# KiCad board ZSWatch-panelized.kicad_pcb (continued)
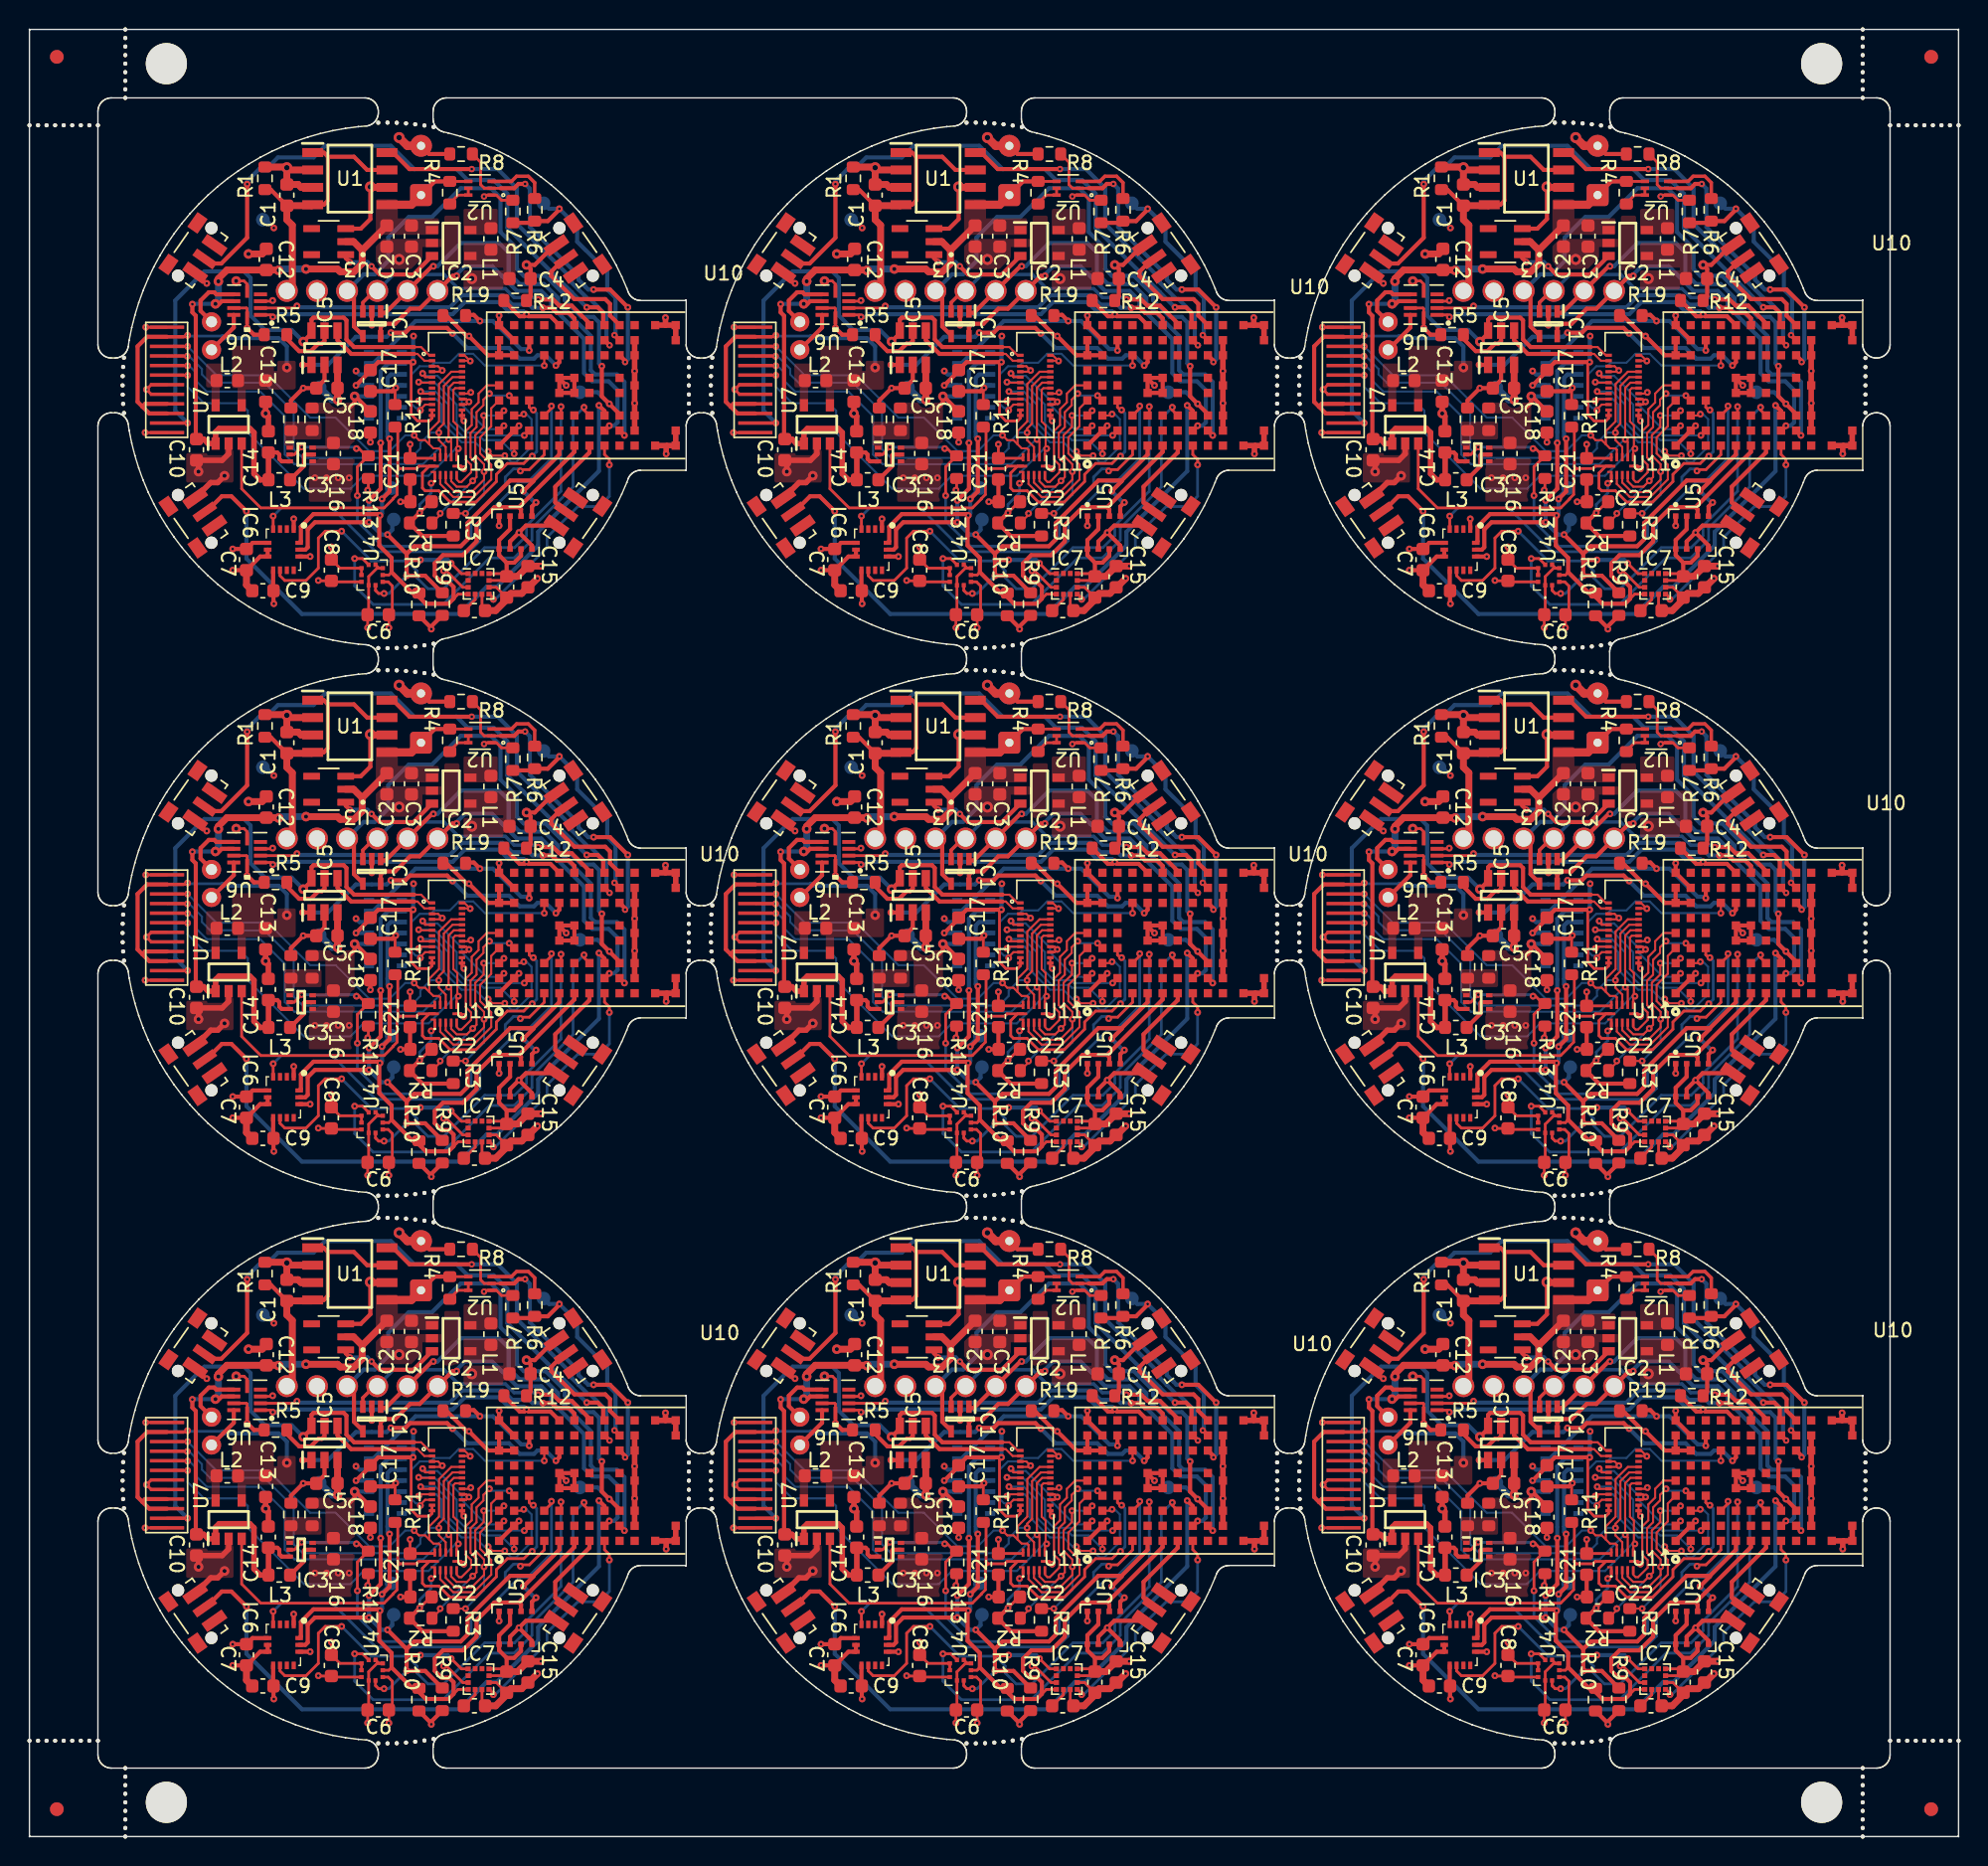
[diagram p0: board, top side]
## Nets (continued)
Board_7-BTN_2: S2#6.2 U10#3.J9
Board_7-BTN_3: S3#4.2 U10#3.H9
Board_7-BTN_4: S4#6.2 U10#3.G1
Board_7-CHG: U1.8 U10#3.H8
Board_7-DISPLAY_3V3: C5#9.2 C13#6.1 C21#5.2 IC5#5.3 L2#9.2 TP11#6.1 U7.4 U11#6.11 U12.3 U12.4 U12.11 U13#6.13 U13#6.14 U13#6.17 U13#6.23 U13#6.24
Board_7-DISPLAY_BLK: IC5#5.1 U10#3.E7
Board_7-DISPLAY_CLK: U10#3.B1 U13#6.8
Board_7-DISPLAY_CS: U10#3.B3 U13#6.9
Board_7-DISPLAY_DATA: U10#3.C2 U13#6.6
Board_7-DISPLAY_DC: U10#3.A2 U13#6.5
Board_7-DISPLAY_EN: R11.1 U7.3 U10#3.C4 U11#6.12
Board_7-DISPLAY_RST: U10#3.D7 U13#6.10
Board_7-DRV_VIB_EN: R12#4.1 U6#8.1 U10#3.E9
Board_7-DRV_VIB_PWM: U6#8.2 U10#3.F9
Board_7-GND: BT1#8.2 C1.2 C2.1 C3#7.2 C4#2.2 C5#9.1 C6#6.2 C7#5.2 C8#6.1 C9#7.1 C10#4.2 C11#2.2 C12#9.1 C13#6.2 C14#3.2 C15#5.2 C16#8.2 C17#3.1 C18#5.2 C19#3.1 C21#5.1 C22#7.1 IC1#7.2 IC2.2 IC3#6.4 IC4.4 IC4.12 IC5#5.2 IC6#9.1 IC6#9.6 IC6#9.7 IC7#9.6 IC7#9.8 J2#4.5 R1#5.2 R5#4.1 R7#3.2 R8#3.1 R11.2 R12#4.2 R13.2 R18#7.1 S1.1 S2#6.3 S3#4.3 S4#6.1 U1.2 U1.3 U1.6 U2.1 U3#2.3 U4#9.3 U4#9.8 U4#9.9 U5#4.1 U5#4.5 U5#4.7 U6#8.3 U6#8.5 U6#8.8 U6#8.10 U7.2 U10#3.A1 U10#3.A9 U10#3.B2 U10#3.B8 U10#3.E4 U10#3.E5 U10#3.F4 U10#3.F5 U10#3.K2 U10#3.K3 U10#3.K5 U10#3.K7 U10#3.K8 U10#3.L1 U10#3.L9 U10#3.M1 U10#3.M2 U10#3.M8 U10#3.M9 U11#6.6 U12.1 U12.5 U12.6 U12.12 U13#6.3 U13#6.4 U13#6.15 U13#6.16
Board_7-INT1_LIS: IC6#9.4 U10#3.D3
Board_7-INT2_LIS: IC6#9.9 U10#3.E3
Board_7-LEDK1: IC5#5.6 U12.2 U13#6.1
Board_7-LEDK2: IC5#5.4 U13#6.2
Board_7-LIS2MDL_INT: IC7#9.7 U10#3.H1
Board_7-MAX30_INT: IC4.13 R19#3.2 U10#3.C8
Board_7-RESET_N: IC1#7.4 J2#4.4 TP12#4.1 U10#3.J3
Board_7-SCL_ANNA: IC4.2 IC6#9.13 IC7#9.1 R9#3.1 TP9.1 U4#9.2 U5#4.4 U10#3.E1
Board_7-SDA_ANNA: IC4.3 IC6#9.14 IC7#9.4 R10#2.1 TP10#5.1 U4#9.4 U5#4.3 U10#3.F1
Board_7-SWDCLK: IC1#7.1 J2#4.2 U10#3.J2
Board_7-SWDIO: IC1#7.5 J2#4.1 U10#3.H2
Board_7-TOUCH_INT: U10#3.A4 U11#6.2
Board_7-TOUCH_RST: U10#3.A5 U11#6.5
Board_7-TOUCH_SCL: R3#5.1 U10#3.A3 U11#6.3
Board_7-TOUCH_SDA: R2#3.1 U10#3.B4 U11#6.4
Board_7-UART_TX: IC1#7.3 J2#4.3 U10#3.G9
Board_7-unconnected-(IC4-Pad1): IC4.1
Board_7-unconnected-(IC4-Pad5): IC4.5
Board_7-unconnected-(IC4-Pad6): IC4.6
Board_7-unconnected-(IC4-Pad7): IC4.7
Board_7-unconnected-(IC4-Pad8): IC4.8
Board_7-unconnected-(IC4-Pad14): IC4.14
Board_7-unconnected-(IC6-Pad2): IC6#9.2
Board_7-unconnected-(IC6-Pad3): IC6#9.3
Board_7-unconnected-(IC6-Pad10): IC6#9.10
Board_7-unconnected-(IC6-Pad11): IC6#9.11
Board_7-unconnected-(IC7-Pad2): IC7#9.2
Board_7-unconnected-(IC7-Pad11): IC7#9.11
Board_7-unconnected-(IC7-Pad12): IC7#9.12
Board_7-unconnected-(S1-Pad3): S1.3
Board_7-unconnected-(S1-PadS1): S1.S1
Board_7-unconnected-(S1-PadS2): S1.S2
Board_7-unconnected-(S2-Pad1): S2#6.1
Board_7-unconnected-(S2-PadS1): S2#6.S1
Board_7-unconnected-(S2-PadS2): S2#6.S2
Board_7-unconnected-(S3-Pad1): S3#4.1
Board_7-unconnected-(S3-PadS1): S3#4.S1
Board_7-unconnected-(S3-PadS2): S3#4.S2
Board_7-unconnected-(S4-Pad3): S4#6.3
Board_7-unconnected-(S4-PadS1): S4#6.S1
Board_7-unconnected-(S4-PadS2): S4#6.S2
Board_7-unconnected-(U3-Pad4): U3#2.4
Board_7-unconnected-(U3-Pad5): U3#2.5
Board_7-unconnected-(U6-Pad4): U6#8.4
Board_7-unconnected-(U10-PadA6): U10#3.A6
Board_7-unconnected-(U10-PadB5): U10#3.B5
Board_7-unconnected-(U10-PadB6): U10#3.B6
Board_7-unconnected-(U10-PadB9): U10#3.B9
Board_7-unconnected-(U10-PadC1): U10#3.C1
Board_7-unconnected-(U10-PadC5): U10#3.C5
Board_7-unconnected-(U10-PadC6): U10#3.C6
Board_7-unconnected-(U10-PadC9): U10#3.C9
Board_7-unconnected-(U10-PadD2): U10#3.D2
Board_7-unconnected-(U10-PadD8): U10#3.D8
Board_7-unconnected-(U10-PadD9): U10#3.D9
Board_7-unconnected-(U10-PadE2): U10#3.E2
Board_7-unconnected-(U10-PadE8): U10#3.E8
Board_7-unconnected-(U10-PadF2): U10#3.F2
Board_7-unconnected-(U10-PadF3): U10#3.F3
Board_7-unconnected-(U10-PadF7): U10#3.F7
Board_7-unconnected-(U10-PadF8): U10#3.F8
Board_7-unconnected-(U10-PadG2): U10#3.G2
Board_7-unconnected-(U10-PadG4): U10#3.G4
Board_7-unconnected-(U10-PadG5): U10#3.G5
Board_7-unconnected-(U10-PadG7): U10#3.G7
Board_7-unconnected-(U10-PadG8): U10#3.G8
Board_7-unconnected-(U10-PadH7): U10#3.H7
Board_7-unconnected-(U10-PadJ1): U10#3.J1
Board_7-unconnected-(U10-PadJ4): U10#3.J4
Board_7-unconnected-(U10-PadJ5): U10#3.J5
Board_7-unconnected-(U10-PadK1): U10#3.K1
Board_7-unconnected-(U10-PadK9): U10#3.K9
Board_7-unconnected-(U13-Pad7): U13#6.7
Board_7-unconnected-(U13-Pad22): U13#6.22
Board_7-V_BAT: BT1#8.1 C2.2 C3#7.1 C10#4.1 C12#9.2 C14#3.1 IC2.1 IC3#6.3 L3#8.1 R4#7.1 U1.5 U2.4 U3#2.2 U6#8.7 U7.1
Board_7-VBUS: C1.1 J2#4.6 R1#5.1 U1.1 U1.4 U1.7
Board_8-5V_REG_EN: IC3#8.2 R13#5.1 U10.D1
Board_8-+1V8: C4#7.1 C6.1 C7#2.1 C8#8.2 C9#4.2 C15#4.1 C17.2 C19#7.2 C22#3.2 IC2#5.4 IC4#5.11 IC6#6.5 IC6#6.8 IC6#6.12 IC7#2.3 IC7#2.9 IC7#2.10 L1#2.2 R2#4.2 R3#6.2 R9#4.2 R10#6.2 R19#9.1 TP8#4.1 U4#2.1 U4#2.5 U4#2.6 U4#2.10 U5#9.2 U5#9.6 U5#9.8 U10.A7 U10.A8 U10.B7 U11#4.1 U13#9.11 U13#9.12
Board_8-+5V: C16#4.1 C18.1 IC3#8.6 IC4#5.9 IC4#5.10 R17#7.2
Board_8-/C1: C11#7.1 IC7#2.5
Board_8-/D2: R6#3.1 U2#5.3
Board_8-/G2: R4#4.2 U2#5.5 U2#5.6
Board_8-/ISET: IC5#6.5 R5.2
Board_8-/LX_3V3: L2#6.1 U7#5.5
Board_8-/LX_18: IC2#5.5 L1#2.1
Board_8-/MOTOR_OUT+: M1#3.1 U6#2.9
Board_8-/MOTOR_OUT-: M1#3.2 U6#2.6
Board_8-/SW: IC3#8.5 L3#3.2
Board_8-/TOUCH_HIGH_INT-DC: U11#4.10 U12#5.10 U13#9.21
Board_8-/TOUCH_HIGH_RST-SDA: U11#4.7 U12#5.7 U13#9.18
Board_8-/TOUCH_HIGH_SCL-CS: U11#4.9 U12#5.9 U13#9.20
Board_8-/TOUCH_HIGH_SDA-SCL: U11#4.8 U12#5.8 U13#9.19
Board_8-/TPS_FB: IC3#8.1 R17#7.1 R18.2
Board_8-/~{RESET_BAT_SUP}: IC2#5.3 U3#7.1
Board_8-BAT_MON: R6#3.2 R7.1 TP3#7.1 U10.J8
Board_8-BAT_MON_EN: R8#4.2 U2#5.2 U10.J7
Board_8-BMP581_INT: U4#2.7 U10.G3
Board_8-BTN_1: S1#9.2 U10.H3
Board_8-BTN_2: S2#3.2 U10.J9
Board_8-BTN_3: S3#5.2 U10.H9
Board_8-BTN_4: S4.2 U10.G1
Board_8-CHG: U1#8.8 U10.H8
Board_8-DISPLAY_3V3: C5.2 C13#8.1 C21#7.2 IC5#6.3 L2#6.2 TP11#8.1 U7#5.4 U11#4.11 U12#5.3 U12#5.4 U12#5.11 U13#9.13 U13#9.14 U13#9.17 U13#9.23 U13#9.24
Board_8-DISPLAY_BLK: IC5#6.1 U10.E7
Board_8-DISPLAY_CLK: U10.B1 U13#9.8
Board_8-DISPLAY_CS: U10.B3 U13#9.9
Board_8-DISPLAY_DATA: U10.C2 U13#9.6
Board_8-DISPLAY_DC: U10.A2 U13#9.5
Board_8-DISPLAY_EN: R11#7.1 U7#5.3 U10.C4 U11#4.12
Board_8-DISPLAY_RST: U10.D7 U13#9.10
Board_8-DRV_VIB_EN: R12#6.1 U6#2.1 U10.E9
Board_8-DRV_VIB_PWM: U6#2.2 U10.F9
Board_8-GND: BT1#9.2 C1#7.2 C2#6.1 C3#3.2 C4#7.2 C5.1 C6.2 C7#2.2 C8#8.1 C9#4.1 C10#6.2 C11#7.2 C12#4.1 C13#8.2 C14#8.2 C15#4.2 C16#4.2 C17.1 C18.2 C19#7.1 C21#7.1 C22#3.1 IC1.2 IC2#5.2 IC3#8.4 IC4#5.4 IC4#5.12 IC5#6.2 IC6#6.1 IC6#6.6 IC6#6.7 IC7#2.6 IC7#2.8 J2#2.5 R1#7.2 R5.1 R7.2 R8#4.1 R11#7.2 R12#6.2 R13#5.2 R18.1 S1#9.1 S2#3.3 S3#5.3 S4.1 U1#8.2 U1#8.3 U1#8.6 U2#5.1 U3#7.3 U4#2.3 U4#2.8 U4#2.9 U5#9.1 U5#9.5 U5#9.7 U6#2.3 U6#2.5 U6#2.8 U6#2.10 U7#5.2 U10.A1 U10.A9 U10.B2 U10.B8 U10.E4 U10.E5 U10.F4 U10.F5 U10.K2 U10.K3 U10.K5 U10.K7 U10.K8 U10.L1 U10.L9 U10.M1 U10.M2 U10.M8 U10.M9 U11#4.6 U12#5.1 U12#5.5 U12#5.6 U12#5.12 U13#9.3 U13#9.4 U13#9.15 U13#9.16
Board_8-INT1_LIS: IC6#6.4 U10.D3
Board_8-INT2_LIS: IC6#6.9 U10.E3
Board_8-LEDK1: IC5#6.6 U12#5.2 U13#9.1
Board_8-LEDK2: IC5#6.4 U13#9.2
Board_8-LIS2MDL_INT: IC7#2.7 U10.H1
Board_8-MAX30_INT: IC4#5.13 R19#9.2 U10.C8
Board_8-RESET_N: IC1.4 J2#2.4 TP12#7.1 U10.J3
Board_8-SCL_ANNA: IC4#5.2 IC6#6.13 IC7#2.1 R9#4.1 TP9#2.1 U4#2.2 U5#9.4 U10.E1
Board_8-SDA_ANNA: IC4#5.3 IC6#6.14 IC7#2.4 R10#6.1 TP10#2.1 U4#2.4 U5#9.3 U10.F1
Board_8-SWDCLK: IC1.1 J2#2.2 U10.J2
Board_8-SWDIO: IC1.5 J2#2.1 U10.H2
Board_8-TOUCH_INT: U10.A4 U11#4.2
Board_8-TOUCH_RST: U10.A5 U11#4.5
Board_8-TOUCH_SCL: R3#6.1 U10.A3 U11#4.3
Board_8-TOUCH_SDA: R2#4.1 U10.B4 U11#4.4
Board_8-UART_TX: IC1.3 J2#2.3 U10.G9
Board_8-unconnected-(IC4-Pad1): IC4#5.1
Board_8-unconnected-(IC4-Pad5): IC4#5.5
Board_8-unconnected-(IC4-Pad6): IC4#5.6
Board_8-unconnected-(IC4-Pad7): IC4#5.7
Board_8-unconnected-(IC4-Pad8): IC4#5.8
Board_8-unconnected-(IC4-Pad14): IC4#5.14
Board_8-unconnected-(IC6-Pad2): IC6#6.2
Board_8-unconnected-(IC6-Pad3): IC6#6.3
Board_8-unconnected-(IC6-Pad10): IC6#6.10
Board_8-unconnected-(IC6-Pad11): IC6#6.11
Board_8-unconnected-(IC7-Pad2): IC7#2.2
Board_8-unconnected-(IC7-Pad11): IC7#2.11
Board_8-unconnected-(IC7-Pad12): IC7#2.12
Board_8-unconnected-(S1-Pad3): S1#9.3
Board_8-unconnected-(S1-PadS1): S1#9.S1
Board_8-unconnected-(S1-PadS2): S1#9.S2
Board_8-unconnected-(S2-Pad1): S2#3.1
Board_8-unconnected-(S2-PadS1): S2#3.S1
Board_8-unconnected-(S2-PadS2): S2#3.S2
Board_8-unconnected-(S3-Pad1): S3#5.1
Board_8-unconnected-(S3-PadS1): S3#5.S1
Board_8-unconnected-(S3-PadS2): S3#5.S2
Board_8-unconnected-(S4-Pad3): S4.3
Board_8-unconnected-(S4-PadS1): S4.S1
Board_8-unconnected-(S4-PadS2): S4.S2
Board_8-unconnected-(U3-Pad4): U3#7.4
Board_8-unconnected-(U3-Pad5): U3#7.5
Board_8-unconnected-(U6-Pad4): U6#2.4
Board_8-unconnected-(U10-PadA6): U10.A6
Board_8-unconnected-(U10-PadB5): U10.B5
Board_8-unconnected-(U10-PadB6): U10.B6
Board_8-unconnected-(U10-PadB9): U10.B9
Board_8-unconnected-(U10-PadC1): U10.C1
Board_8-unconnected-(U10-PadC5): U10.C5
Board_8-unconnected-(U10-PadC6): U10.C6
Board_8-unconnected-(U10-PadC9): U10.C9
Board_8-unconnected-(U10-PadD2): U10.D2
Board_8-unconnected-(U10-PadD8): U10.D8
Board_8-unconnected-(U10-PadD9): U10.D9
Board_8-unconnected-(U10-PadE2): U10.E2
Board_8-unconnected-(U10-PadE8): U10.E8
Board_8-unconnected-(U10-PadF2): U10.F2
Board_8-unconnected-(U10-PadF3): U10.F3
Board_8-unconnected-(U10-PadF7): U10.F7
Board_8-unconnected-(U10-PadF8): U10.F8
Board_8-unconnected-(U10-PadG2): U10.G2
Board_8-unconnected-(U10-PadG4): U10.G4
Board_8-unconnected-(U10-PadG5): U10.G5
Board_8-unconnected-(U10-PadG7): U10.G7
Board_8-unconnected-(U10-PadG8): U10.G8
Board_8-unconnected-(U10-PadH7): U10.H7
Board_8-unconnected-(U10-PadJ1): U10.J1
Board_8-unconnected-(U10-PadJ4): U10.J4
Board_8-unconnected-(U10-PadJ5): U10.J5
Board_8-unconnected-(U10-PadK1): U10.K1
Board_8-unconnected-(U10-PadK9): U10.K9
Board_8-unconnected-(U13-Pad7): U13#9.7
Board_8-unconnected-(U13-Pad22): U13#9.22
Board_8-V_BAT: BT1#9.1 C2#6.2 C3#3.1 C10#6.1 C12#4.2 C14#8.1 IC2#5.1 IC3#8.3 L3#3.1 R4#4.1 U1#8.5 U2#5.4 U3#7.2 U6#2.7 U7#5.1
Board_8-VBUS: C1#7.1 J2#2.6 R1#7.1 U1#8.1 U1#8.4 U1#8.7

## Via types
v1: diameter 0.5, hole 0.2, Top to Bottom, 1206 vias
v2: diameter 0.8, hole 0.4, Top to Bottom, 45 vias
v3: diameter 0.7, hole 0.3, Top to Bottom, 126 vias
v4: diameter 0.47, hole 0.2, Top to Bottom, 81 vias

## Routing (per net, layer and track width the routed paths; a pad name or vN(x,y) marks a point on that pad's centre or on a via; arc(x,y) is an arc through that point)
Board_0-5V_REG_EN: length 30.3
  Top w0.2: v4(19.88,101.49) 19.34,100.95 IC3#7.2 ; 24.65,100.8 24.06,101.38 v1(23.88,101.38) ; U10#6.D1 37.59,100.93 36.51,99.85 35.95,99.85 v1(35.85,99.75) ; R13#3.1 23.95,100.05 v1(23.95,97.95)
  Bottom w0.2: v1(23.95,97.95) 23.95,96.07 25.77,94.25 31.55,94.25 32.25,94.95 32.25,96.2 34.75,98.7 34.75,99.3 35.35,99.9 35.7,99.9 v1(35.85,99.75) ; v4(19.88,101.49) 23.77,101.49 v1(23.88,101.38)
Board_0-+1V8: length 64
  Top w0.2: U11#2.1 29.6,99 29.45,98.85 v1(29.34,98.85) ; 29.4,104.18 U13.12 29.4,103.6 29.2,103.4 28.35,103.4 27.88,103.87 27.88,107.56 v1(28.02,107.7) ; v1(28.5,96.7) 29.3,97.5 C22.2 ; v1(24.7,88.3) C6#9.1 24.77,89.32 U4#3.1 24.77,92.04 25.38,92.65 U4#3.5 25.52,92.65 U4#3.6 ; v1(21.1,91.75) 21.12,91.72 C8#5.2 22.12,91.65 U4#3.10 ; 32,91.25 31.65,91.25 30.45,92.45 v1(30.25,92.45) ; 33.6,92.25 34.65,92.25 C19#4.2 34.55,91.75 33.6,91.75
  Top w0.3: IC6#7.8 17.8,91.02 C9.2 17.82,90.07 v1(17.85,90.05) ; 34.85,93.05 C19#4.2 ; 34.85,93.05 35.4,93.05 35.9,93.55 U5#3.6 ; 34.85,93.05 34.3,93.6 U5#3.8 34.3,94.7 35.1,95.5 U5#3.2 ; R10.2 29.35,88.27 v1(29.35,88.2) 29.35,88.4 R9#8.2 ; IC6#7.5 16.3,94.5 C7#3.1 v1(14.85,94.05) ; U10#6.B7 U10#6.A7 ; U10#6.A7 33.5,108.2 v1(32.1,109.6) 31.95,109.6 30.45,111.1 R19#6.1 30.45,111.1 ; U10#6.A7 U10#6.A8 ; v1(23.85,106) 24.9,107.05 C17#5.2 25.47,107.7 v1(28.02,107.7) ; IC6#7.12 v1(20.5,93.5) ; R3#8.2 28.7,95 R2.2 v1(28.5,96.7)
  Top w0.5: v1(37.35,92.8) C15#3.1 35.65,92.05 C19#4.2
  Bottom w0.2: v1(28.5,96.7) 28.5,97.3 29.34,98.14 v1(29.34,98.85)
  Bottom w0.3: v1(28.05,109.6) 28.02,109.57 v1(28.02,107.7) ; v1(17.85,117.5) 17.25,118.1 TP8#8.1 ; v1(23.85,106) IC4#3.11
  vias: v2(32.3,113.8)
Board_0-+5V: length 5
  Top w0.3: 23.4,104.4 23.75,104.75 v3(23.75,105.2) 23.8,105.2 C18#8.1
  Bottom w0.3: IC4#3.9 24.55,104.4 v3(23.75,105.2) IC4#3.10
Board_0-/C1: length 1.6
  Top w0.2: C11#4.1 31.75,89.55 32.55,90.35 32.55,90.75
Board_0-/D2: length 4.7
  Top w0.25: U2#3.3 35.2,120.9 35.57,121.28 36.43,121.28 36.9,120.81 R6#4.1
Board_0-/G2: length 2.2
  Top w0.2: R4#3.2 30.7,119.3 31.3,119.9 U2#3.6 U2#3.5
Board_0-/ISET: length 4.5
  Top w0.3: R5#2.2 18.8,109.4 19.7,108.5 20.55,108.5 21.1,109.05 21.35,109.05 21.55,109.25 IC5.5
Board_0-/MOTOR_OUT+: length 3.2
  Top w0.3: U6#4.9 14.92,110.22 M1#8.1
Board_0-/MOTOR_OUT-: length 4.6
  Top w0.3: M1#8.2 12.5,111.44 12.5,112.2 13.1,112.8 13.5,112.8 13.65,112.65 U6#4.6
Board_0-/SW: length 2.9
  Top w0.3: IC3#7.5 20.1,100.95 20.05,100.9 20.05,100.11 L3#7.2
Board_0-/TOUCH_HIGH_INT-DC: length 31.4
  Top w0.15: U11#2.10 30,101.3 ; 30,101.3 29.9,101.4 29.5,101.4 29.2,101.7 ; 30,101.3 29.97,101.32 ; 29.2,101.7 29.2,102.66 29.91,103.37 29.91,106.1 30.8,107 U13.21 ; 29.2,101.7 28.9,102 28.45,102 v1(28.1,102.35) ; v1(11.55,108.85) U12#7.10
  Bottom w0.15: v1(28.1,102.35) 27.45,102.35 26.3,101.2 24.81,101.2 22.36,103.65 20.5,103.65 17.4,106.75 13.65,106.75 11.55,108.85 v1(11.55,108.85)
Board_0-/TOUCH_HIGH_RST-SDA: length 33
  Top w0.15: v1(31.32,101.38) 31.2,101.26 U11#2.7 ; 31.25,101.46 31.25,103.07 30.96,103.36 30.96,105.67 31.09,105.8 U13.18 ; 11.53,106.75 U12#7.7
  Bottom w0.15: v1(31.32,101.38) 31.13,101.38 29.15,99.4 24.4,99.4 23.45,98.45 20.05,98.45 15.95,102.55 15.95,104.15 15.4,104.7 12.75,104.7 11.55,105.9 v1(11.55,106.73)
Board_0-/TOUCH_HIGH_SCL-CS: length 32.9
  Top w0.15: v1(11.53,108.13) 10.07,108.13 U12#7.9 ; U11#2.9 30.4,101.5 29.9,102 v1(29.9,102.55) 29.9,102.85 30.26,103.21 30.26,105.96 30.9,106.6 U13.20
  Bottom w0.15: v1(29.9,102.55) 29.3,102.55 28.55,101.79 28.55,101.4 27.85,100.7 19.95,100.7 19.3,101.35 19.3,104.05 17.15,106.2 13.2,106.2 12.6,106.8 12.6,107.2 11.67,108.13 v1(11.53,108.13)
Board_0-/TOUCH_HIGH_SDA-SCL: length 32.6
  Top w0.15: v1(11.55,107.43) 11.53,107.45 U12#7.8 ; U11#2.8 30.8,101.87 v1(30.62,102.05) 30.61,102.06 30.61,105.81 30.99,106.2 U13.19
  Bottom w0.15: v1(30.62,102.05) 30.54,102.05 28.75,100.25 19.35,100.25 18.65,100.95 18.65,103.75 16.85,105.55 12.95,105.55 12.15,106.35 12.15,106.95 11.67,107.43 v1(11.55,107.43)
Board_0-/~{RESET_BAT_SUP}: length 7.6
  Top w0.3: IC2#7.3 28.05,114.1 25.58,114.1 v4(24.98,114.7) ; U3#8.1 23.1,115.3 v4(23.4,115)
  Bottom w0.3: v4(24.98,114.7) 24.68,115 v4(23.4,115)
Board_0-BAT_MON: length 16.5
  Top w0.3: v1(38.7,118.9) 38.7,118.85 37.85,118 R6#4.2 ; v4(42.72,109.67) U10#6.J8 ; R7#4.1 36.77,117.87
  Bottom w0.3: TP3.1 37.95,118.9 v1(38.7,118.9) 40,117.6 40,116.5 42.2,114.3 42.2,113 42.8,112.4 42.8,109.75 v4(42.72,109.67)
Board_0-BAT_MON_EN: length 23.8
  Top w0.2: 34.4,120.4 U2#3.2 33.22,120.4 32.95,120.67 32.95,122.3 R8#8.2
  Top w0.3: v1(43.7,111.7) 42.4,113 v1(41.2,113) ; 34.4,120.4 35.4,120.4 35.71,120.72 v4(36.2,120.72) ; v4(43.5,107.7) 43.5,107.8 U10#6.J7
  Bottom w0.3: v4(36.2,120.72) 36.54,120.37 36.54,117.56 40.1,114.01 40.1,113.71 40.6,113.21 40.6,113.21 40.8,113 v1(41.2,113) ; v4(43.5,107.7) 43.7,107.9 v1(43.7,111.7)
Board_0-BMP581_INT: length 30.7
  Top w0.2: v1(23.75,93.35) 24.32,93.35 U4#3.7 ; U10#6.G3 40.5,104.2 v1(40.5,104.4)
  Bottom w0.2: v1(40.5,104.4) 39.7,103.6 39.7,98.58 36.7,95.58 36.7,94.7 35.4,93.4 33.6,93.4 30.2,90 25.1,90 23.75,91.35 v1(23.75,93.35)
Board_0-BTN_1: length 45.4
  Top w0.3: U10#6.H3 41.99,104.13 v1(41.59,104.54) ; S1#2.2 12.91,96.77 14.05,97.9 14.75,97.9 v1(15.85,96.8)
  Bottom w0.3: v1(41.59,104.54) 41.59,99.74 37.15,95.3 37.15,94.3 34.15,91.3 33.4,91.3 31.4,89.3 19.9,89.3 15.85,93.35 v1(15.85,96.8)
Board_0-BTN_2: length 8.8
  Top w0.3: S2#4.2 39.03,115.23 38.1,114.3 38.1,114 39.8,112.3 42.05,112.3 42.4,111.95 42.4,111.1 U10#6.J9
Board_0-BTN_3: length 42.5
  Top w0.3: S3#9.2 13.14,114.9 14.01,114.9 15.9,116.79 v1(15.9,120.7) ; v1(40.7,111.7) 41.5,111.7 41.9,111.3 41.9,110.5
  Bottom w0.3: v1(15.9,120.7) 15.9,120.92 16.78,121.8 17.3,121.8 18.15,122.65 20.75,122.65 21.6,123.5 26.4,123.5 28.1,121.8 31.2,121.8 32,121 33.9,121 34.9,120 34.9,117.51 36.1,116.31 36.1,116.3 39.6,112.8 39.6,112.79 40.69,111.7 v1(40.7,111.7)
Board_0-BTN_4: length 6.3
  Top w0.3: U10#6.G1 40.89,101.1 38.4,98.6 38.4,97.45 39.08,96.77 S4#5.2
Board_0-CHG: length 25.5
  Top w0.3: v4(32.3,121.8) 27.75,121.8 26.55,123 U1#2.8 ; U10#6.H8 v4(42.37,108.93)
  Bottom w0.3: v4(32.3,121.8) 34.2,121.8 35.6,120.4 35.6,117.8 39.6,113.8 39.6,113.51 40.1,113.01 40.1,113 40.8,112.3 40.95,112.3 42.14,111.11 42.14,109.16 v4(42.37,108.93)
Board_0-DISPLAY_3V3: length 31.5
  Top w0.15: U13.23 32.17,107.8 v1(32.19,107.78) 31.77,108.2 U13.24 ; v1(32.23,105.49) 32.14,105.4 U13.17 ; U13.14 U13.13 ; 31.59,103.55 v1(31.73,103.41)
  Top w0.2: v1(11.55,109.65) 11.45,109.55 U12#7.11 ; U11#2.11 29.52,100.67 C21.2 v1(27.8,101.7) ; U13.13 31.59,103.55
  Top w0.3: 8.25,104.45 8.45,104.65 U12#7.4 ; 8.25,104.45 7.9,104.8 7.9,108.85 8.6,109.55 U12#7.11 ; 8.25,104.45 8.75,103.95 U12#7.3
  Top w0.5: v3(22.5,104.95) C5#5.2 IC5.3
  Bottom w0.2: v1(11.55,109.65) 11.6,109.6 14.1,109.6
  Bottom w0.3: v3(18.8,107.3) 18.8,108.85 18.2,109.45 14.25,109.45 14.1,109.6
  Bottom w0.5: TP11#7.1 22.1,104.95 v3(22.5,104.95)
Board_0-DISPLAY_BLK: length 22.5
  Top w0.3: U10#6.E7 38.7,108.2 38.7,107.7 v1(38.45,107.45) ; v1(26.4,109.85) 27.45,109.85 27.8,110.2 30.5,110.2 v1(30.9,109.8) ; IC5.1 v1(19.95,107.5)
  Bottom w0.3: v1(30.9,109.8) 31.97,108.73 35.02,108.73 35.8,107.95 36.85,107.95 37.1,108.2 37.7,108.2 v1(38.45,107.45) ; v1(26.4,109.85) 26.1,109.55 23.85,109.55 21.8,107.5 v1(19.95,107.5)
Board_0-DISPLAY_CLK: length 11
  Top w0.15: v1(35.4,101) 35.4,101.6 U10#6.B1 ; U13.8 28.72,105.4 v1(28.57,105.55)
  Bottom w0.15: v1(28.57,105.55) 29.64,105.55 30.6,104.6 30.6,103.3 31.7,102.2 32.96,102.2 33.17,102 34.4,102 v1(35.4,101)
Board_0-DISPLAY_CS: length 15.9
  Top w0.15: v1(33.5,101.18) 33.81,100.87 v1(34.71,100.87) ; v1(28.43,104.87) 28.56,105 U13.9 ; U10#6.B3 36,103.8 v1(36.1,103.9)
  Bottom w0.15: v1(36.1,103.9) 36.3,103.9 36.67,103.53 36.67,101.53 35.54,100.4 35.18,100.4 v1(34.71,100.87) ; v1(28.43,104.87) 28.56,105 29.7,105 30.1,104.6 30.1,103.31 31.56,101.85 32.55,101.85 33.22,101.18 v1(33.5,101.18)
Board_0-DISPLAY_DATA: length 11.6
  Top w0.15: U13.6 28.46,106.2 v1(28.43,106.24) ; v1(36.14,102.35) U10#6.C2
  Bottom w0.15: v1(28.43,106.24) 29.56,106.24 31.2,104.6 31.2,103.2 31.85,102.55 33.11,102.55 33.31,102.35 v1(36.14,102.35)
Board_0-DISPLAY_DC: length 9.3
  Top w0.15: v1(34.65,103.05) U10#6.A2 ; v1(28.71,106.87) 28.89,106.7 28.89,106.61 28.9,106.6 U13.5
  Bottom w0.15: v1(34.65,103.05) 34.39,102.8 33.35,102.8 31.57,104.58 31.57,104.92 29.8,106.7 28.83,106.7 28.71,106.81 v1(28.71,106.87)
Board_0-DISPLAY_EN: length 40.3
  Top w0.2: 27.02,99.92 28.26,99.92 28.44,100.1 U11#2.12 29.2,100.1 28.7,99.6 28.7,98.5 28.9,98.3 29.9,98.3 30.72,97.47 32.6,97.47 34.1,98.97 34.1,99.5 34.9,100.3 36.1,100.3 36.63,100.83 v1(36.71,100.83) ; 27.02,99.92 26.85,99.75 26.85,98.03 26.55,97.73 26.55,97.7 25.9,97.05 16.9,97.05 15.5,98.45 U7#8.3 ; 27.02,99.92 26.9,100.05 26.9,102.75 R11#9.1 ; v1(36.8,104.2) 36.7,104.2 36.49,104.4 U10#6.C4
  Bottom w0.2: v1(36.71,100.83) 37.04,101.16 37.04,103.96 v1(36.8,104.2)
Board_0-DISPLAY_RST: length 15.5
  Top w0.15: U10#6.D7 37.6,108.2 v1(37.6,107.45) ; U13.10 28.9,104.6 28.64,104.34 28.64,104.27 v1(28.55,104.18)
  Bottom w0.15: v1(37.6,107.45) 33.26,107.45 32.41,108.3 31.35,108.3 30.7,107.65 29.55,107.65 29.3,107.4 28.5,107.4 27.9,106.8 27.9,104.65 28.21,104.34 28.39,104.34 v1(28.55,104.18)
Board_0-DRV_VIB_EN: length 25.2
  Top w0.2: U6#4.1 17.62,111.15 v1(17.77,111)
  Top w0.3: R12#2.1 35.8,111.05 36.15,111.05 v1(36.3,111.2) 36.45,111.05 38.04,111.05 U10#6.E9
  Bottom w0.3: v1(36.3,111.2) 36.1,111.4 34.98,111.4 34.3,112.09 31.79,112.09 30.9,111.2 18.3,111.2 18.1,111 v1(17.77,111)
Board_0-DRV_VIB_PWM: length 24.6
  Top w0.2: U6#4.2 19.39,111.65 v1(19.54,111.8)
  Top w0.3: U10#6.F9 39.79,110.9 39.4,111.3 38.5,111.3 38.14,111.66 v1(37.5,111.66)
  Bottom w0.3: v1(19.54,111.8) 19.64,111.7 30.7,111.7 31.58,112.59 34.56,112.59 35.25,111.9 36.5,111.9 36.73,111.66 v1(37.5,111.66)
Board_0-GND: length 117.3
  Top w0.15: U13.15 31.9,104.6 v1(32.1,104.8) 31.9,105 U13.16 ; U13.3 29.84,107.4 v1(30.15,107.09) 30.05,107 U13.4
  Top w0.2: U12#7.6 8.9,106.05 v1(8.55,105.7) 8.9,105.35 U12#7.5 ; 33.6,91.25 34.1,91.25 C19#4.1 ; U6#4.8 15.85,111.65 15.9,111.6 U6#4.10 v1(15.9,110.2) ; v1(31.72,99.9) 31.52,100.1 U11#2.6 ; v1(24.7,98.35) 24.75,98.4 R13#3.2 ; U4#3.3 26.2,91.65 26.5,91.35 26.5,89.5 C6#9.2 v1(26.25,88.3) ; 33.05,90.75 33.05,89.77 C11#4.2 ; v1(26.75,105.82) 26.7,105.77 R11#9.2 ; v1(17.76,112.2) 17.71,112.15 U6#4.3 ; v4(33.2,119.8) 33.3,119.9 U2#3.1 34.1,119.9 34.47,119.52 R7#4.2 ; U12#7.12 v1(8.5,110.25) ; v3(15.1,113.63) 15.67,113.63 15.9,113.4 U6#4.5 ; v1(22.05,94.2) C8#5.1 22.67,92.65 U4#3.8 U4#3.9 ; U12#7.1 v1(8.45,102.55)
  Top w0.3: v1(35.75,95.25) 35.1,94.6 U5#3.7 ; v1(35.75,95.25) 36.7,94.3 U5#3.5 ; v1(35.75,95.25) 36.26,95.76 S4#5.1 ; R8#8.1 29.2,122.9 BT1#7.2 ; S2#4.3 38.34,116.24 36.9,114.8 v3(36.3,114.8) 36.6,114.5 C4#5.2 36.6,112.5 R12#2.2 ; U10#6.E5 U10#6.E4 U10#6.F4 U10#6.F5 U10#6.E5 ; U10#6.E5 38.69,106.5 v1(39.2,106) ; v2(24.9,120.5) 24.9,118.15 24.2,117.45 U3#8.3 ; C21.1 27.8,97.52 C22.1 v1(27.1,97.5) ; U5#3.1 v1(34.3,95.75) ; v1(26.75,105.82) 26.5,105.57 C17#5.1 ; R5#2.1 16.4,109.7 v1(15.9,110.2) ; IC6#7.6 IC6#7.7 16.85,93.5 C7#3.2 v1(14.85,92.5) ; v1(35.75,103.05) U10#6.B2 U10#6.A1 ; S3#9.3 12.88,113.45 v1(12.95,113.45) ; U10#6.B8 U10#6.A9 34.29,111.1 v1(34.3,111.1) ; R18#9.1 19.1,104.9 v1(20,105.8) C5#5.1 21.55,106.4 IC5.2 ; IC6#7.1 v1(19.3,96.25) ; C18#8.2 v1(24.9,101.85) ; 25,111.3 v1(25,110.4)
  Top w0.4: U10#6.L1 46.55,101.6 ; 46.55,101.6 U10#6.M1 U10#6.M2 ; 46.55,101.6 46.5,101.55 v1(46.5,101) ; C14#4.2 17.45,103.75 v3(17.25,103.95) C13.2 ; 46.45,110.4 U10#6.L9 ; 46.45,110.4 U10#6.M9 U10#6.M8 ; 46.45,110.4 v1(46.45,110.95) ; v3(12.35,99.7) 12.35,100.52 14.07,100.52 14.55,101 U7#8.2 ; U10#6.K8 U10#6.K7 v1(44.19,107.05) U10#6.K5 44.19,104.7 v1(44.2,104.7) 44.19,104.7 U10#6.K3 U10#6.K2 ; v3(14.25,99.4) 13.75,98.9 13.23,98.9 S1#2.1
  Top w0.5: U1#2.2 18.96,121.73 v2(18.8,121.9) ; C9.1 15.85,91.42 C7#3.2 ; C11#4.2 34.05,89.55 34.85,90.35 C19#4.1 35.15,90.8 35.95,90.8 C15#3.2 36.45,91.25 v1(37.1,91.9) ; R1#8.2 18.75,121.95 v2(18.8,121.9) ; U1#2.6 24.93,120.46 v2(24.9,120.5) ; v2(18.8,121.9) C1#6.2 19.62,120.67 19.83,120.46 U1#2.3 ; C12#3.1 17.3,115.9 17,115.6 v3(16,115.6)
  Top w0.6: v2(27,124.1) 27.6,123.5 BT1#7.2
  Bottom w0.3: IC4#3.12 24.1,106.8 v1(23.85,107.05) ; v1(26.75,105.82) 26.93,106 IC4#3.4
  vias: v1(20.85,99.25) v1(21.7,99.25) v1(22.55,99.25) v1(23.35,99.25) v2(27,115.2)
Board_0-INT1_LIS: length 31.2
  Top w0.2: U10#6.D3 38.12,104.32 v1(38.12,104.49) ; IC6#7.4 v1(17.8,96.45)
  Bottom w0.2: v1(17.8,96.45) 18.4,97.05 22.1,97.05 25.3,93.85 32.1,93.85 32.9,94.65 32.9,96.05 35.8,98.95 36.4,98.95 38.12,100.67 v1(38.12,104.49)
Board_0-INT2_LIS: length 36.1
  Top w0.2: U10#6.E3 38.82,103.92 v1(38.82,104.45) ; v1(22.8,95.35) 21.6,95.35 21.1,94.85 21.1,92.65 20.2,91.75 18.65,91.75 18.3,92.1 IC6#7.9
  Bottom w0.2: v1(22.8,95.35) 24.97,93.17 27.57,93.17 28.3,92.45 28.3,91.95 29.1,91.15 30.25,91.15 33.25,94.15 35.42,94.15 36.3,95.02 36.3,95.75 38.82,98.27 v1(38.82,104.45)
Board_0-LEDK1: length 37.5
  Top w0.15: U13.1 29.2,108.2 28.6,108.8 28.1,108.8
  Top w0.2: U12#7.2 v1(11.55,103.25)
  Top w0.3: v3(20,109.2) 20.6,109.8 IC5.6 20.6,110.8 20.75,110.95 22.95,110.95 23.15,110.75 23.15,109.35 23.7,108.8 28.1,108.8
  Bottom w0.3: v1(11.55,103.25) 10.65,104.15 10.65,112.2 12.77,114.33 15.67,114.33 16.15,113.85 16.15,111.1 17.2,110.05 19.15,110.05 v3(20,109.2)
Board_0-LEDK2: length 8.2
  Top w0.15: U13.2 28.84,107.8 28.34,108.3 28.1,108.3
  Top w0.3: IC5.4 22.5,109.3 23.5,108.3 28.1,108.3
Board_0-LIS2MDL_INT: length 16.4
  Top w0.2: v1(33.88,90.37) 33.88,90.47 33.6,90.75 ; v1(42.35,100.2) 42.35,100.6 41.99,100.95 U10#6.H1
  Bottom w0.2: v1(33.88,90.37) 34.02,90.37 37.8,94.15 37.8,94.9 40.05,97.15 41.6,97.15 42.35,97.9 v1(42.35,100.2)
Board_0-MAX30_INT: length 15.9
  Top w0.3: v1(32.9,110.7) 32.45,111.15 31.85,111.15 ; U10#6.C8 36.5,109.3 v1(36.5,108.55)
  Bottom w0.3: IC4#3.13 25.1,107.6 28.2,110.7 v1(32.9,110.7) 33.85,110.7 35.9,108.65 36.4,108.65 v1(36.5,108.55)
Board_0-RESET_N: length 42.1
  Top w0.3: v1(41.8,107.4) 41.8,105.2 v1(42.35,104.65) 43.09,103.9 U10#6.J3 ; 24.35,109.65 23.7,110.3 23.7,112.4
  Bottom w0.3: J2#9.4 24.41,114.11 25.22,114.11 26.2,115.09 26.2,116.8 27.7,118.3 29.4,118.3 31.5,120.4 33.7,120.4 34.4,119.7 34.4,117.2 35.6,116 35.6,114.5 36.1,114 37.69,114 39.1,112.59 39.1,112.21 40.31,111 41.2,111 41.6,110.6 41.6,107.6 v1(41.8,107.4) ; v1(42.35,104.65) 41.5,105.5 TP12.1